# KiCad board Rogelio Pineda part 6-AMLDC-2044B.kicad_pcb (continued)
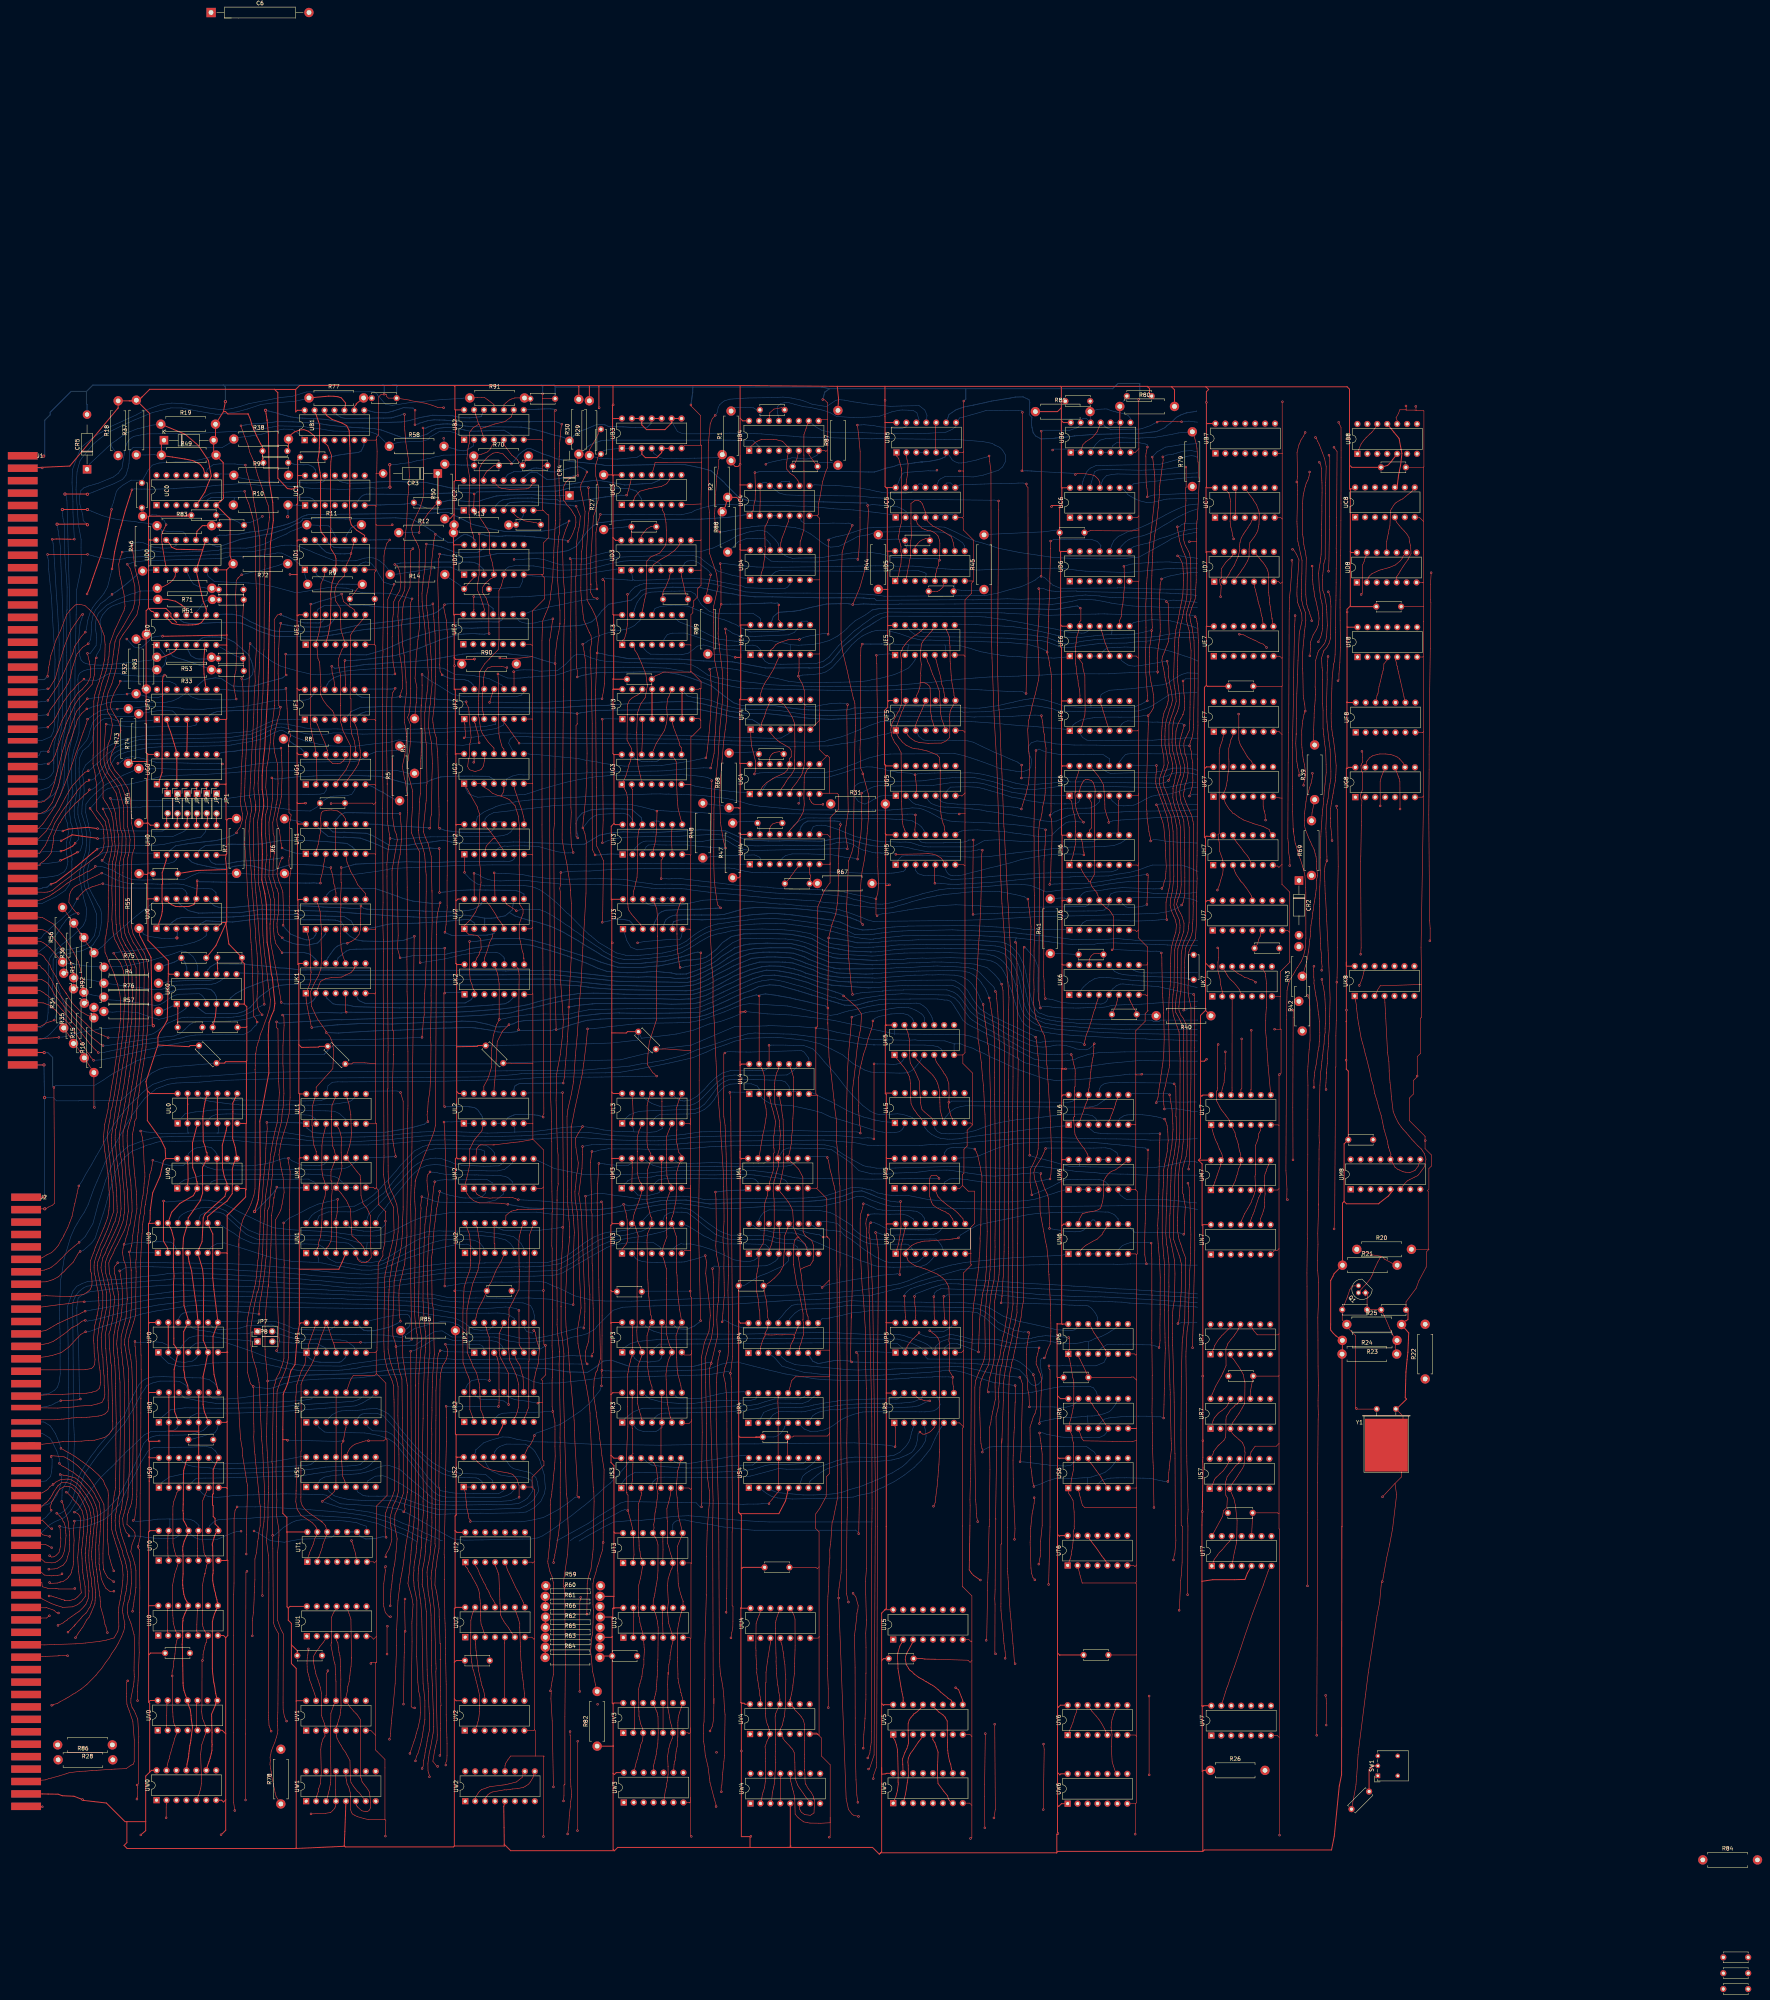
[diagram p0: board, top side]
## Routing (per net, layer and track width the routed paths; a pad name or vN(x,y) marks a point on that pad's centre or on a via; arc(x,y) is an arc through that point) (continued)
L1p8: length 431.7
  Top w0.15: v1(172.28,228.78) 172.95,226.54 172.94,199.48 ; v1(362.84,184.99) 362.65,185.81 362.43,187.3 362.42,191.02 362.46,193.35 362.53,195.36 362.62,197.94 362.63,199.26 362.7,202.3 363.15,209.62 363.25,211.92 v1(363.25,214.1) ; 172.94,199.58 172.95,198.97 172.82,196.33 172.8,193.36 172.52,189.79 172.19,187.96 171.89,186.76 171.4,184.4 170.63,180.28 170.59,177.62 170.29,169.96 170.29,168.64 170.31,166.77 171.1,164.19 v1(171.1,163.87) 171.2,162.36 171.55,160.37 171.93,157.97 172.64,155.58 172.76,145.64 172.74,145.62 172.87,139.16 172.97,138.21 172.97,126.63 172.97,126.3 172.8,125.79 171.82,123.13 171.35,122.08 170.88,121.03 170.79,119.75 170.82,118.13 170.94,117.25 171.09,116.48 171.4,114.9 171.4,114.68 171.14,111.44 170.78,108.31 170.48,106.97 170.27,105.3 170.12,103.97 170.05,103.12 169.86,101.91 169.75,100.12 v1(169.65,97.66)
  Bottom w0.15: 375.88,184.68 374.06,184.65 v1(362.84,184.99) 358.73,184.99 358.72,184.98 358.05,184.95 355.37,184.86 354.49,184.91 345.79,184.92 342.48,184.91 336.5,184.81 335.55,184.76 332.97,184.71 329.54,184.58 328.84,184.6 328.21,184.58 326.36,184.54 322.56,184.25 321.75,184.19 321.06,184.17 319.12,183.94 315.34,183.51 313.62,183.03 309.62,181.91 308.63,181.65 305.28,180.64 303.98,180.24 302.1,179.51 299.86,178.76 298.91,178.6 295.43,177.68 294.35,177.43 293.51,177.25 293.13,177.13 292.49,176.9 290.39,176.96 288.33,176.84 287.77,176.77 284.46,176.45 278.61,175.88 276.69,175.82 276.66,175.86 271.75,175.68 256.5,174.66 237.01,174.25 228.97,173.92 226.58,173.13 222.47,169.06 222.08,168.44 220.04,167.2 218.37,166.7 216.01,166.24 214.08,165.5 211.93,165.37 208.47,165.32 206.22,164.93 206.2,164.92 202.54,164.92 199.99,165.28 199,165.57 196.32,166.31 185.44,166.31 182.9,167.88 181.09,167.73 179.87,167.07 179.28,166.69 178.53,166.1 175.98,164.19 173.22,164.1 173.13,164.07 172.26,164.05 v1(171.1,163.87) ; v1(363.25,214.1) 362.75,214.4 362.56,214.59 361.8,214.64 360.09,214.82 359.31,215.04 357.32,215.24 355.97,215.38 353.02,215.64 352.83,215.69 352.25,215.76 349.58,215.97 348.4,216.07 337.47,216.16 330.16,215.78 328.98,215.7 325.21,214.67 324,214.25 322.62,213.67 320.4,212.75 319.35,212.32 316.95,212.07 316.27,212.05 315.61,212.08 314.67,211.97 UM5.8 ; v1(172.28,228.78) 171.4,229.15 170.32,229.15 163.92,229.09 163.43,228.6 UL1.8
L2p2: length 211.4
  Top w0.15: v1(183.59,179.32) 184.14,201.68 183.62,217.01 183.6,218.16 v1(183.39,221.22)
  Bottom w0.15: UL2.2 UL2.1 188.18,220.86 187.67,221.37 185.41,221.25 184.24,221.27 183.45,221.22 v1(183.39,221.22) ; UN6.1 340.96,187.15 334.06,186.84 330.71,186.68 327.6,186.46 326.47,186.37 324.55,186.23 322.73,185.97 322.34,185.94 321.42,185.85 318.77,185.61 318.76,185.6 316.58,185.36 315.2,185.12 314,184.88 312.93,184.68 309.63,183.8 308.63,183.4 307.2,182.8 305.77,182.27 304.22,181.6 301.97,180.65 299.56,179.88 295.33,179.16 294.92,179.07 294.46,178.96 293.14,178.76 292.14,178.65 289.11,178.16 284.1,177.75 279.6,177.48 275.72,177.19 265.97,176.83 254.12,176.37 247.45,176.09 237.3,175.72 231.3,175.47 224.44,175.51 221.25,175.7 216.81,176.82 214.42,178 212.41,178.99 211.49,179.27 209.31,180.28 207.77,180.52 204.64,180.43 201.94,180.35 198.4,180.31 197.99,180.34 196.54,180.34 193.02,180.26 192.66,180.22 189.43,180.14 187.23,179.85 185.11,179.47 184.48,179.38 184.26,179.32 v1(183.59,179.32)
L2p8: length 217.8
  Top w0.15: 214.28,52.11 214.28,69.39 214.38,82.29 214.27,97.84 214.23,102.25 v1(214.17,102.57) 213.84,103.34 214.96,110.88 215.19,114.81 215.16,116.27 214.91,123.07 214.83,125.08 214.72,125.98 214.66,126.37 214.16,143.27 213.84,155.46 213.91,157.93 213.98,160.53 214.03,161.98 213.62,165.83 213.3,167.96 213.3,174.03 213.26,174.07 213.3,174.11 213.3,183.83 213.44,186.39 213.6,189.22 213.69,190.73 213.8,193.96 213.91,198.61 v1(213.68,228.74) ; 214.28,52.11 214.04,51.87 214.04,49.15 v1(213.92,47.82) 214.04,47.91 ; 214.28,52.11 214.08,51.92 ; UN2.4 196.37,190.1 196.2,190.27 196.2,195.23 UN2.13
  Bottom w0.15: UN2.13 196.86,194.29 198.47,193.61 199.49,193.53 200.28,193.48 200.73,193.54 203.15,193.5 206.04,193.53 207.78,193.55 208.75,193.7 210.82,193.91 211.43,194.01 212.51,194.17 v1(213.68,194.34) ; 213.07,228.65 213.33,228.65 v1(213.68,228.74) ; 213.11,228.65 205,228.65 UL2.8
L3p1: length 52.5
  Bottom w0.15: UL4.6 273.2,229.08 272.44,229.11 271.73,228.39 UL4.5 271.59,230.16 271.13,230.84 270.56,231.48 269.52,231.83 267.76,231.92 266.61,231.93 264.35,232.04 262.41,232.03 257.54,232.07 256.08,231.98 255.07,231.52 254.27,231.07 253.34,230.27 251.67,227.94 251.41,227.61 249.97,225.79 248.64,224.83 247.53,224.5 243.64,224.37 237.57,224.15 236.8,224.14 233.36,223.95 232.15,223.61 230.81,223.07 230.03,222.43 UL3.1
L3p4: length 74.1
  Bottom w0.15: UL3.4 236.94,221.88 237.58,222.57 238.54,223.18 240.46,223.21 244.7,223.27 245.78,223.27 247.49,223.4 248.73,223.84 250.02,224.49 251.38,225.67 252.44,226.97 253.29,228.48 254.25,229.52 255.16,230.35 256.46,230.88 258.8,231.03 260.43,230.96 261.88,230.98 263.4,230.42 263.78,229.89 263.91,229.75 UL4.2 264.72,227.22 265.49,226.64 266.85,225.89 269.23,225.56 272.21,225.4 277.69,224.2 279.92,223.57 282.08,222.53 284.04,221.97 285.37,221.59 286.47,221.27 287.78,220.83 289.42,220.38 290.35,220.07 292.57,219.34 293.61,219.05 294.47,218.8 295.36,218.67 296.39,218.49 297.49,218.5 298.44,218.5 299.76,218.75 300.43,219.28 300.88,219.95 UL5.2
L3p8: length 310.9
  Top w0.15: v1(85.72,124.32) 86.1,123.46 86.32,122.36 87.21,119.97 87.38,119.07 87.66,116.54 87.76,115.97 87.69,115.53 87.74,114.44 87.72,113.42 87.62,111.55 87.22,110.19 86.96,109.17 86.09,108.06 84.95,107.46 84.69,107.28 83.78,107.08 v1(82.41,107.01) ; UR3.8 243.89,153.96 243.13,156.87 243.06,157.88 242.93,158.38 242.85,161 242.67,166.65 243.24,168.39 UP3.8 243.58,173.37 243.34,175.29 243,178.48 242.98,180.31 242.92,182.1 242.82,182.82 242.81,186.36 242.74,187.23 242.76,191.94 242.01,194.21 UN3.9 241.56,196.66 241.76,197.19 242.01,197.93 242.67,201.23 242.76,203.97 242.77,205.56 242.73,206.79 242.76,207.59 242.71,208.01 243.27,209.93 UM3.8 244.06,212.71 243.31,213.55 243.04,215.25 242.73,216.23 242.8,217.89 242.83,219.14 242.88,219.19 242.83,224.9 243.43,226.83 UL3.8
  Bottom w0.15: UN3.9 241.26,194.41 240.51,193.74 240.16,193.58 239.57,193.3 237.19,192.72 236.21,192.49 233.85,192.01 232.07,191.75 227.84,191.13 225.89,190.8 223.31,189.73 221.14,188.55 219.24,187.42 217.69,186.33 216.34,185.37 215.68,185.02 212.29,183.31 204.18,183.02 187.57,182.75 184.03,182.68 182.65,182.56 180.73,182.28 178.51,181.99 177.77,181.81 174.43,181.18 172.53,180.91 168.09,180.32 166.37,180.11 163.49,179.92 162.07,179.85 159.28,179.98 158.5,180.06 157.56,180.16 153.95,180.46 153.24,180.55 152.09,180.67 149.49,180.81 148.05,181.01 142.48,181.47 140.93,181.62 131.28,182 127.67,182.28 118.1,182.65 117.35,182.65 116.18,182.65 112.64,182.47 111.56,182.28 106.26,181.71 104.86,181.49 99.96,181 96.14,180.83 92.32,180.49 90.94,179.98 89.54,179.25 88.57,178.04 87.2,174.2 87.4,160.75 87.42,153.34 87.53,147.26 87.52,141.53 87.3,136.15 87.25,135.47 87.38,133.86 87.38,130.04 85.8,127.21 85.79,125.94 v1(85.72,124.32)
L3p9: length 79.9
  Top w0.15: 266.42,240.93 266.45,240.89 266.45,240.86 v1(266.42,240.83) 266.45,240.79 UL4.12
  Bottom w0.15: 244.27,226.65 244.77,226.6 245.2,226.66 245.62,226.75 246.42,226.87 248.06,227.83 249.94,229.59 250.63,230.4 251.23,231.1 252.88,232.65 254.57,233.76 256.56,234.35 261.5,234.34 262.25,234.35 264.42,234.37 265.21,234.4 265.73,234.64 265.84,234.76 266.18,235.03 UL4.12 ; UL5.3 303.49,221.96 303.06,222.33 302.54,222.56 300.57,223.18 299.22,223.32 297.76,223.22 296.88,223.19 295.81,223.1 294.7,223.1 293.65,223.35 293.13,223.59 292.22,224.04 290.4,225.41 287.83,227.98 286.3,229.71 283.43,233.44 282.23,234.79 280.58,236.59 279.34,238.11 277.62,239.9 275.3,240.75 273.58,240.74 272.74,240.75 270.71,240.86 267.54,240.87 267.04,240.87 266.78,240.83 v1(266.42,240.83) ; 244.31,226.64 243.8,226.73 242.53,227.45 UL3.9
L3p11: length 338.1
  Top w0.15: UR3.11 236.54,153.56 236.34,154.04 235.99,155.3 235.7,156.72 235.41,158.65 235.31,159.84 235.26,166.61 235.9,168.96 UP3.11 236.33,171.69 236.16,172.02 235.73,176.53 235.6,177.34 235.51,180.11 235.45,180.99 235.34,186.01 235.25,191.05 235.39,192.71 UN3.11 236.48,196.75 236.15,197.17 235.69,199.27 235.26,200.98 235.3,206.8 235.34,207.45 235.34,208.83 235.97,210.72 UM3.11 236.22,212.14 236.22,213.13 235.38,214.7 235.24,216.37 235.27,218.13 235.28,225.41 235.6,226.92 235.9,227.77 UL3.11 ; 83.67,72.46 83.5,72.29 v1(83.15,72.27) 83.13,72.29 ; 83.67,72.46 84.72,72.78 85.05,73.04 86.67,73.9 86.96,74.07 87.31,74.29 87.69,74.49 88.59,75.1 89.17,75.39 90.05,75.98 90.69,76.42 92.15,77.58 94.5,79.98 95,80.63 95.9,81.64 96.91,83.14 97.91,84.45 98.4,85.34 99.49,86.91 100.16,88.11 101.02,89.82 101.45,90.97 101.52,91.04 101.76,92.02 101.74,92.27 101.85,92.97 101.44,95.11 101.36,95.61 101.2,96.4 101.45,98.14 101.69,98.89 101.88,100.28 102.04,100.83 102.16,101.38 102.28,101.96 102.3,102.58 102.41,103.22 102.51,105.04 102.5,105.71 102.47,106.39 102.31,107.52 102.08,108.51 101.82,109.59 101.45,110.44 101.18,111.76 100.82,112.7 100.46,113.89 100.07,114.92 99.49,117 99.42,118.12 99.35,119.42 99.43,120.14 99.4,120.67 99.63,121.64 99.63,122.23 99.89,123.27 100.19,125.09 100.43,126.22 100.48,126.94 ; 83.67,72.46 83.54,72.33 ; 100.48,126.94 100.49,127.58 100.74,146.02 100.66,146.1 100.6,154.79 100.54,155.61 100.33,158.39 100.29,159.3 100.11,161.06 99.99,162.37 99.89,163.16 99.88,163.44 99.76,164.53 99.81,165.34 100.08,167.96 100.9,171.56 101.07,173.3 101.17,174.45 101.23,176.2 101.13,179.23 100.75,182.02 v1(100.52,183.22) ; 100.48,126.94 100.47,126.76
  Bottom w0.15: v1(100.52,183.22) 100.76,183.22 101.93,184 105.94,184.24 106.48,184.28 108.85,184.25 109.22,184.23 115.61,184.06 117.58,183.98 121.54,183.89 123.41,183.78 127.37,183.63 127.79,183.62 132.04,183.27 134.44,183.18 139.74,182.79 141.19,182.76 143.52,182.59 147.79,182.26 149.54,182 157.23,181.49 159.24,181.3 164.74,181.18 165.82,181.3 168.16,181.6 169.68,181.88 172.4,182.22 173.88,182.44 176.45,182.79 180.95,183.37 185.13,183.99 187.63,184.06 191.95,184.04 193.02,184.04 197.48,184.04 200.59,184.13 201.66,184.23 202.07,184.2 202.83,184.23 203.59,184.24 204.31,184.18 204.84,184.2 206.39,184.3 207.73,184.29 208.44,184.42 210.21,184.55 211.42,184.82 212.66,184.98 213.36,185.16 215.27,186.23 215.74,186.48 216.6,187.03 218.46,188.34 220.13,189.31 222.95,191.08 225.49,191.87 227.05,192.03 230.11,192.39 234.15,193.43 235.47,194.14 UN3.11
L3p12: length 45.3
  Bottom w0.15: UL4.9 273.34,235.04 272.54,234.25 271.02,233.24 267.62,233.17 261.73,233.17 257.62,233.23 255.15,232.88 253.03,231.17 249.54,227.56 248.41,226.46 247.36,225.86 246.2,225.46 244.61,225.36 242.94,225.39 239.85,225.25 238.45,225.26 237.2,225.69 236.5,225.96 235.96,226.29 234.66,227.21 UL3.12
L4p3: length 84.6
  Top w0.15: 264.12,170.57 264.04,173.1 263.9,173.33 263.67,175.97 263.24,178.1 263.13,180.46 263.2,181.85 263.32,182.44 263.56,183.77 263.76,184.63 263.9,187.53 UN4.2 263.83,188.46 264.92,190.21 265.1,191.92 265.15,192.66 265.19,193.48 265.23,198 265.18,198.48 265.21,199.01 265.37,200.66 266.06,202.57 UM4.3 266.69,204.84 266.53,205.75 267.56,209 267.57,213.2 267.74,213.37 267.69,214.4 267.63,214.66 267.63,217.62 267.75,218.3 268.11,221.33 267.49,223.91 267.08,225.29 266.6,227.48 UL4.3
  Bottom w0.15: UN4.2 263.41,186.47 262.71,185.98 261.71,185.67 260.74,185.55 259.04,185.75 257.33,186.07 255.04,187.25 251.65,188.67 249.03,189.52 247.17,189.91 246.35,190.09 244.51,190.05 243.94,190.17 242.82,189.66 241.84,188.8 UN3.6
L4p4: length 123.2
  Top w0.15: UL4.4 269.37,226.06 269.52,225.61 269.82,222.97 270.02,221.92 270.15,216.01 270.17,215.99 270.17,213.24 270.19,213.22 270.19,212.81 ; UN4.7 276.03,188.83 275.71,190.01 274.05,191.69 274.05,191.9 273.78,191.62 273.43,191.62 272.92,190.85 272.74,189.6 272.79,189.3 272.7,189.17 272.62,187.8 272.72,184.9 272.7,184.88 273.02,182.69 273.5,179.79 274.1,177.88 274.53,175.52 274.7,174.72 275,173.03 275.13,172.38 275.13,170.77 275.06,170.71 275.19,170.02 275.21,166.87 274.81,165.53 274.61,164.83 274.25,163.84 274.18,162.55 UP4.6 ; 270.19,213.14 270.1,212.56 270.17,209.87 269.52,206.63 269.22,205.32 UM4.4 269.44,203.17 269.82,202.77 271.33,200.83 271.91,199.87 272.47,198.64 272.64,195.92 272.57,195.64 272.68,194.28 273.28,192.95 273.37,192.59 273.93,191.77
  Bottom w0.15: UN4.7 276.17,189.25 274.8,190.63 273.62,191.1 273.14,191.2 269.88,191.31 268.68,191.47 267.28,191.83 265.84,192.2 264.78,192.26 256.53,192.33 254.74,192.98 253.62,193.48 251.08,195.23 249.1,196.76 246.34,198.87 245.07,199.12 244.13,199.27 240.83,199.16 239.44,198.83 238.04,198.58 236.96,198.31 236,198.05 233.94,195.86 UN3.12
L4p8: length 167.7
  Top w0.15: v1(255.14,238.85) 254.87,238.58 254.87,229.31 254.77,227.07 254.87,222.61 255.21,220.39 255.47,213.04 255.51,211.2 256.04,184.83 256.04,181.96 255.93,178.26 256.16,167.61 256.12,165.66 256.13,163.83 255.95,161.47 255.52,159.53 255.13,158.42 254.81,156.52 255.3,154.41 255.63,150.55 255.67,144.78 255.72,117.41 255.64,102.09 255.52,99.64 255.62,99.54 255.62,96.21 v1(255.46,96.04) 255.62,95.88 255.62,95.65
  Bottom w0.15: v1(255.14,238.85) 255.85,239.19 257.77,239.15 258.78,239.11 260.6,239.1 261.73,239.09 274.73,239.46 275.44,239.04 276.45,237.68 276.61,237.33 UL4.8
L4p10: length 115.8
  Top w0.15: 274.44,183.38 274.01,186.23 UN4.6 ; UL4.10 272.22,234.28 272.36,233.68 272.7,232.64 272.7,224.92 272.52,222.12 272.42,219.16 272.18,217.35 272.13,215.78 271.74,213.75 UM4.10 272.06,211.04 272.82,210.39 274.02,209.16 275.07,207.14 275.12,201.62 275.12,195.23 275.09,195.2 275.16,193.13 275.68,192.19 277.36,190.89 277.8,189.72 277.74,186.98 277.68,185.92 277.68,185.81 276.95,184.66 275.41,184.1 274.55,183.65 274.48,183.33 274.69,182.1 275.09,178.33 275.52,175.95 275.86,173.44 276.03,172.84 276.15,172.03 276.42,171.45 UP4.10
  Bottom w0.15: UN3.10 239.72,197.24 240.44,197.72 240.99,197.99 242.02,198.26 242.92,198.2 244.19,198.2 245.68,197.99 247.31,196.82 250.6,194.15 251.02,193.86 252.68,192.56 255.88,191.32 258.75,191.18 262.28,191.15 263.41,191.22 266.25,191.11 268.28,190.44 270.86,190.23 272.5,190.13 273.75,189.26 UN4.6
L4p11: length 174.2
  Top w0.15: UL4.11 268.84,234.75 268.38,233.76 267.96,232.05 267.85,231.01 267.85,230.32 267.91,226.02 268.35,224.54 268.87,222.51 269.06,221.55 269.15,220.12 269.12,220.09 269.26,218.8 269.34,218 269.26,217.47 269.1,214.41 268.69,213.04 UM4.11 268.91,211.03 268.82,209.9 268.37,208.44 268.07,207.25 267.89,206.64 267.72,206.15 267.68,205.83 267.47,203.59 267.72,201.49 267.75,199.57 267.75,194.19 267.72,193.62 267.51,191.9 267.22,190.76 267.12,190.11 266.66,188.99 UN4.3 ; v1(335.89,208.07) 335.82,207.7 335.93,206.68 336.47,205.24 336.98,203.9 337.45,202.99 337.66,202.34 337.82,201.69 338.13,195.26 v1(338.08,194.05)
  Bottom w0.15: UM4.11 270.08,214.14 271.35,214.57 279.43,214.46 280.3,214.46 282.4,214.14 285.8,211.88 ; 285.69,211.96 287.09,210.99 289.39,208.8 292.73,207.96 293.43,207.97 298.29,207.97 298.57,208.25 298.64,208.17 304.04,208.36 304.77,208.46 305.71,208.55 307.37,208.79 308.86,208.91 311.78,208.94 312.56,208.91 315.46,208.5 317.2,208.2 320.56,207.74 321.43,207.52 324.07,207.41 324.99,207.49 327.42,207.63 329.55,207.85 331.23,208.02 333.7,208.21 334.75,208.37 v1(335.89,208.07) ; UN4.3 266.26,189.19 265.49,189.96 260.62,190.1 259.57,190.08 258.79,190.08 256.64,190.08 255.65,190.08 252.17,190.94 250.87,191.67 249.81,192.12 246.37,194.28 245.64,194.65 244.96,194.95 UN3.8 ; UN6.11 349.48,196.23 349.09,196.23 UN6.12 348.01,194.79 346.91,193.7 346.52,193.45 345.88,193.28 344.64,193.18 343.09,193.23 343.07,193.26 341.6,193.39 340.69,193.62 339.41,193.76 338.75,193.9 v1(338.08,194.05)
L6p3: length 91
  Top w0.15: v1(366.31,218.24) 366.29,216.97 366.25,215.92 366.11,211.44 366.13,210.59 366.06,208.1 366.07,206.62 366.03,203.01 365.99,202.17 365.89,198.98 365.89,198.04 365.81,196.48 365.73,194.78 365.8,194.01 365.69,192.96 365.71,192.94 365.85,190.17 365.94,189.07 366.12,186.88 366.15,186.16 366.25,185.14 366.38,181.52 366.35,174.88 366.35,173.37 366.35,172.17 366.3,169.35 366.34,165.47 366.27,164.71 v1(366.08,163.62)
  Bottom w0.15: v1(366.31,218.24) 365.58,218.29 364.3,218.29 363.69,218.2 352.82,218.21 351.15,218.35 350.51,218.4 349.54,218.57 348.26,219.63 UL6.3 ; UP6.4 350.84,163.01 351.44,163.56 352.8,164.41 355.78,164.41 356.84,164.43 359.63,164.48 361.78,164.33 363.87,164.31 365.25,164 v1(366.08,163.62)
L6p6: length 108.5
  Top w0.15: v1(367.25,145.62) 367.35,149.03 367.4,151.66 367.42,153.26 367.64,162.22 367.67,163.38 367.62,164.93 367.6,166.26 367.59,167.11 367.48,173.11 367.47,173.38 367.46,174.67 367.53,182.22 367.51,184.54 367.34,186.34 367.24,187.16 366.91,191.58 366.9,192.08 366.89,192.93 366.9,199.86 367.03,201.91 367.1,203.9 367.24,205.67 367.22,206.81 367.24,208.91 367.51,210.45 367.72,211.31 367.9,212.25 368.18,213.7 368.22,214.52 368.33,215.63 368.43,216.55 368.4,216.58 368.31,218.68 368.28,219.36 368.13,220.36 367.83,221.32 v1(367.48,221.97)
  Bottom w0.15: 360.74,146.09 362.93,146.09 365.47,145.93 366.44,145.95 v1(367.25,145.62) ; 360.74,146.09 357.77,146.05 356.34,145.94 353.76,145.71 353.21,145.64 352.08,145.33 350.77,144.16 UR6.4 ; 360.74,146.09 360.7,146.13 ; v1(367.48,221.97) 366.48,222.31 365.91,222.45 365.35,222.59 365.02,222.64 364.69,222.69 363.54,222.88 361.91,223.07 360.34,223.12 359.74,223.11 359.38,223.1 357.91,223.03 357.34,222.9 357.12,222.82 356.65,222.53 355.97,222.11 355.75,221.53 355.68,221.16 UL6.6
L6p8: length 129.3
  Top w0.15: v1(368.33,129.42) 368.42,129.51 368.57,131.67 368.65,132.48 368.75,133.47 368.85,134.4 369.03,135.79 369.22,137.55 369.22,139.03 369.17,139.89 369.16,140.32 368.92,151.58 368.94,152.16 368.9,152.95 368.86,154.16 368.57,164.18 368.53,166.07 368.42,173.02 368.46,173.06 368.61,179.28 368.59,180.32 368.63,184.73 368.47,186.46 368.2,189.22 368.02,190 367.8,192.81 367.94,198.57 368.08,202.91 368.18,206.98 368.26,208.99 368.5,210.26 368.77,211.66 369.13,213.98 369.35,215.22 369.48,217.07 369.65,219.3 369.61,220.77 369.4,224.31 369.14,225.99 v1(368.78,228.18)
  Bottom w0.15: v1(368.33,129.42) 367.45,129.42 366.89,129.55 366.19,129.67 364.38,130.1 363.77,130.2 361.98,130.26 361.27,130.27 357.74,130.36 357.22,130.34 355.61,130.34 355.19,130.33 353.63,130.28 352.77,130.11 351.74,129.77 351.32,129.54 350.48,128.83 US6.4 ; v1(368.78,228.18) 368.28,228.51 367.87,228.54 358.98,228.54 358.6,228.15 UL6.8
L6p11: length 143.6
  Top w0.15: 369.78,109.26 v1(369.76,109.36) 369.95,110.62 370.12,111.07 370.38,114.31 370.25,118.07 370.16,135.35 370.16,136.49 370.13,136.66 369.95,149.71 369.91,152.05 369.57,164.18 369.57,165.61 369.52,166.21 369.5,167.13 369.46,169.84 369.48,171.72 369.66,173.69 370,175.73 370.15,182.42 370.03,185.87 369.36,189.35 368.81,191.84 368.83,197.3 368.88,197.9 368.92,199.14 369.04,204.86 369.11,206.22 369.18,209.28 369.27,209.65 369.53,210.82 369.74,211.91 369.95,212.82 370.09,214.01 370.53,217.14 370.45,222.53 370.36,222.62 370.43,224.55 370.36,230.29 v1(369.95,230.97)
  Bottom w0.15: UL6.11 350.73,229.01 350.84,229.78 350.9,229.82 351.28,230.44 351.92,230.9 352.4,231.09 353.84,231.32 355.71,231.29 368.85,231.19 369.19,231.18 369.58,230.97 v1(369.95,230.97)
L7p1: length 17.9
  Top w0.15: UL7.1 379.73,219.07 379.99,218.12 380.49,216.67 381.02,215.63 381.47,214.37 382.1,213.15 382.38,211.98 UM7.13 381.9,210.43 380.91,207.59 380.56,206.51 380.34,205.92 380.34,205.83 380.11,205.29 UM7.1
L7p6: length 26.6
  Top w0.15: UL7.6 391.95,218.97 391.53,218.19 391.51,217.6 391.3,216.67 390.75,215.29 390.69,214.58 390.69,207.87 390.59,207.33 390.77,203.66 390.57,203.43 390.29,202.37 389.84,201.38 389.59,200.64 389.25,200.02 388.72,199.09 387.94,197.79 387.62,197.06 387.13,196 386.95,195
L7p10: length 16.8
  Top w0.15: 389.63,244.83 389.61,244.81 389.61,244.7 v1(389.66,244.65) 389.61,244.6 389.61,229.58 389.54,229.51 UL7.10
L7p11: length 14.6
  Top w0.15: UL7.11 387,229.56 387.23,229.79 387.23,242.4 v1(387.18,242.46) 387.23,242.51 387.23,242.54
L7p12: length 25.2
  Top w0.15: UL7.12 384.75,229.29 384.72,229.95 UK7.3
L7p13: length 11.3
  Top w0.15: UL7.13 382.24,229.79 382.72,231.37 382.72,231.9 382.85,233.48 383.03,234.78 382.95,236.1 v1(383.01,239.16) 383.11,239.18
M0p1: length 48.4
  Bottom w0.15: UM1.6 UM1.5 157.44,205.88 156.13,206.99 155.51,207.22 153.65,207.63 152.81,207.68 151.76,207.76 148.71,207.91 121.68,207.6 119.39,207.07 116.95,206.38 115.22,205.19 UM0.1
M0p4: length 30.1
  Bottom w0.15: UM1.2 150.46,205.62 150.18,205.9 148.67,206.65 139.36,206.47 125.39,206.51 124.61,206.24 124.01,205.97 123.59,205.38 UM0.4
M0p9: length 173.3
  Top w0.15: v1(143.65,211.99) 143.55,211.72 143.7,210.83 144.06,208.57 143.91,198.8 143.89,194.38 143.99,192.54 143.96,189.95 143.94,186.1 143.84,180.58 143.86,174.9 143.78,166.11 143.63,161.2 143.55,160.47 143.35,159.51 142.97,158.13 142.32,156.54 142,155.74 141.57,154.96 140.74,152.5 140.58,143.57 140.64,142.15 140.47,131.89 140.64,127.44 140.61,126.53 140.63,125.99 140.69,124.7 140.58,120.88 141.19,117.19 141.22,115.6 141.17,115.1 141.12,113.94 140.87,111.35 140.87,93.96 140.92,93.83 141.6,91.87 142.33,90.46 142.27,72.89 142.28,71.13 142.62,69.32 v1(143.17,68.22)